# Altium PCB Elevator.PcbDoc (part 1 of 4) (continued)
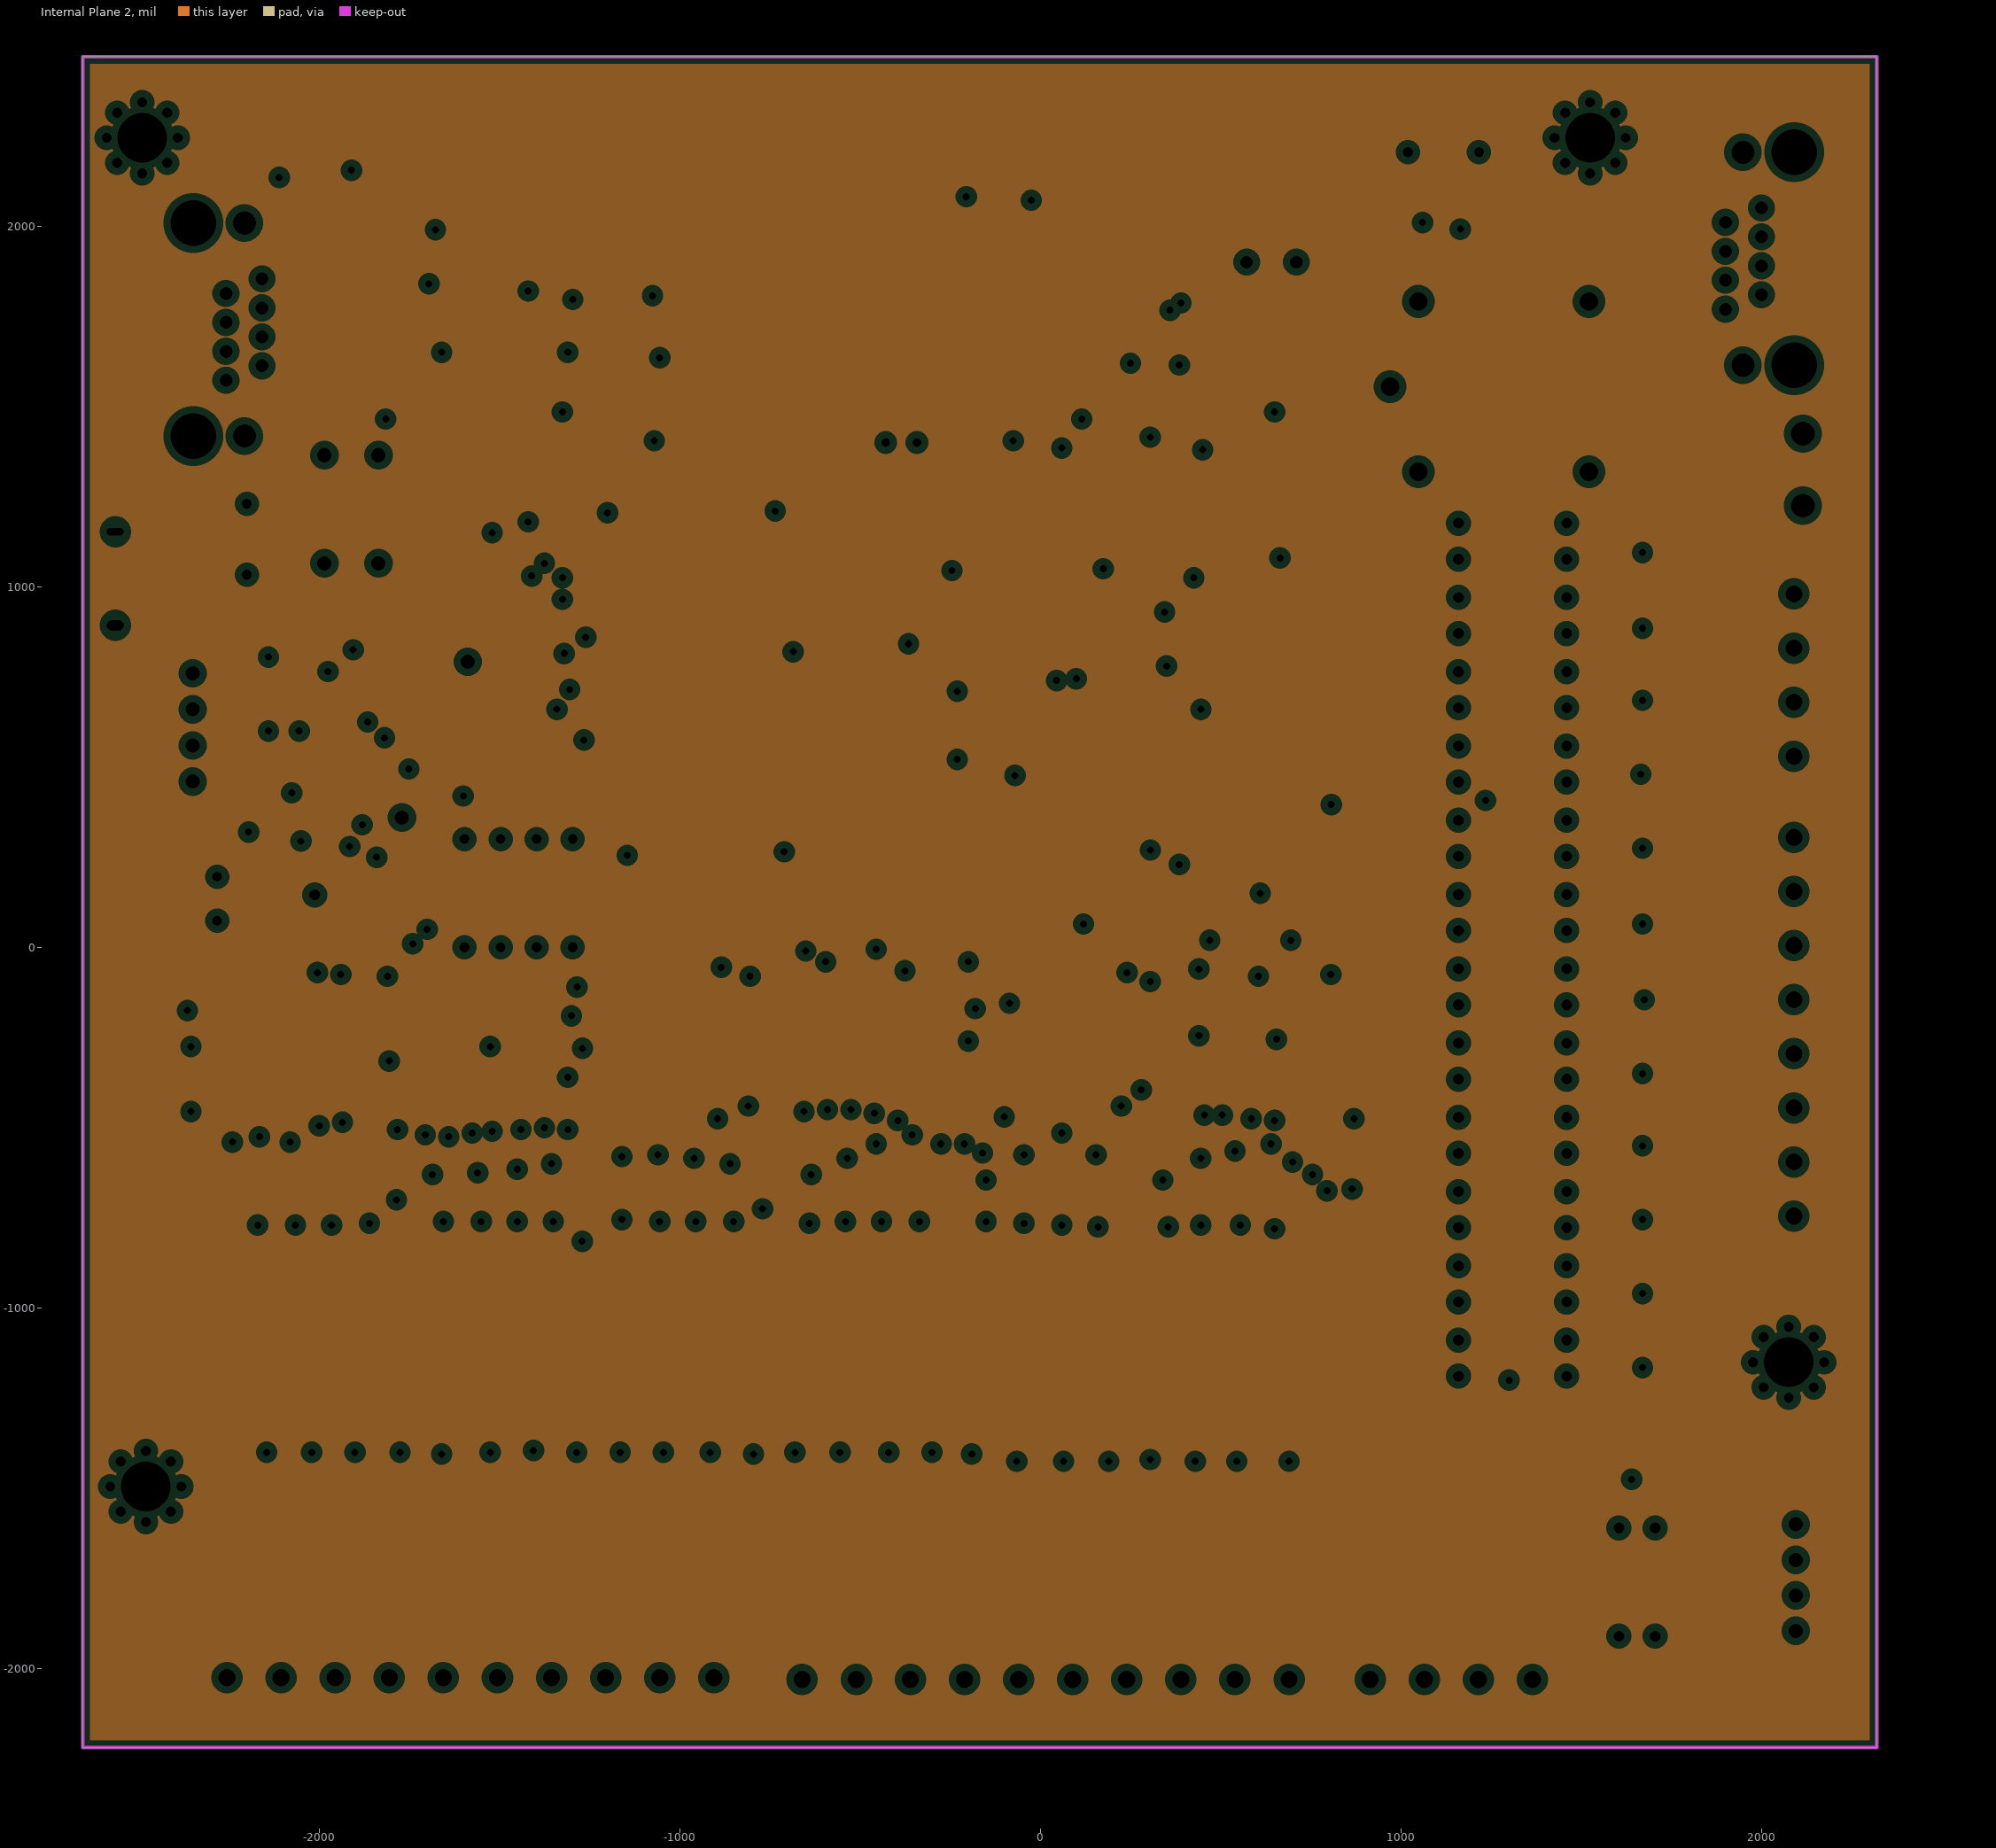
[diagram p3: Internal Plane 2, clearances drawn from the general rule]

## Layer stack, top to bottom
Top Solder: solder mask 0.4, Solder Resist, Dk 3.5
Top Layer: signal copper 1.4
Internal Plane 1: plane copper 1.4
Internal Plane 2: plane copper 1.4
Dielectric 1: dielectric 12.6, FR-4, Dk 4.8
Bottom Layer: signal copper 1.4
Bottom Solder: solder mask 0.4, Solder Resist, Dk 3.5

## Board outline
-2655,-2218.74 -2655,2470 2319.69,2470 2319.69,-2218.74

## Design rules (kind name [scope] priority, off if disabled: settings)
Clearance [All] p1: gap=7.87 ignorepadtopadclearanceinfootprint=FALSE except(0: Arc-Hole Track-Hole SMDPad-Hole THPad-Hole Via-Hole Fill-Hole Poly-Hole Region-Hole Text-Hole; 20: Arc-Poly Track-Poly SMDPad-Poly THPad-Poly Via-Poly Fill-Poly Poly-Poly)
HoleSize [All] p1: absolutevalues=TRUE maxlimit=200 minlimit=1 maxpercent=80.000 minpercent=20.000
MinimumSolderMaskSliver [All] p1 off: minsoldermaskwidth=10
PlaneClearance [All] p1: clearance=20
PlaneConnect [All] p1: planeconnectstyle=Relief reliefexpansion=20 reliefentries=4 reliefconductorwidth=10 reliefairgap=10
PolygonConnect [All] p1: connectstyle=Relief reliefconductorwidth=10 reliefentries=4 polygonreliefangle="90 Angle" airgapwidth=10
RoomDefinition "Power 8V" [InComponentClass('Power 8V')] p1: confinementstyle=ConfineOut formatcopy=TRUE lockcomponents=FALSE outline 3711.1,-660.72 6771.1,-660.72 6771.1,149.28 3711.1,149.28
RoomDefinition "Shift In" [InComponentClass('Shift In')] p2: confinementstyle=ConfineOut formatcopy=TRUE lockcomponents=FALSE outline -7440,-8043.74 -5440,-8043.74 -5440,-7043.74 -7440,-7043.74
RoomDefinition "Power 5V" [InComponentClass('Power 5V')] p3: confinementstyle=ConfineOut formatcopy=TRUE lockcomponents=FALSE outline 2820.55,3875 2285,3875 2285,3205 2820.55,3205
RoomDefinition "Power 3.3V" [InComponentClass('Power 3.3V')] p4: confinementstyle=ConfineOut formatcopy=TRUE lockcomponents=FALSE outline -3865,3460 -3865,2195 -2795,2195 -2795,3460
RoomDefinition "Shift Out" [InComponentClass('Shift Out')] p5: confinementstyle=ConfineOut formatcopy=TRUE lockcomponents=FALSE outline -4555,-1005 -3380,-1005 -3380,-40 -4555,-40
RoomDefinition "Mosfet Input" [InComponentClass('Mosfet Input')] p6: confinementstyle=ConfineOut formatcopy=TRUE lockcomponents=FALSE outline 7560,-470 10300,-470 10300,845 7560,845
RoomDefinition MCU [InComponentClass('MCU')] p7: confinementstyle=ConfineOut formatcopy=TRUE lockcomponents=FALSE outline -2485,3755 -2485,4165 -4670.5,4165 -4670.5,3755
RoomDefinition "Input Connector" [InComponentClass('Input Connector')] p8: confinementstyle=ConfineOut formatcopy=TRUE lockcomponents=FALSE outline 3400,2450 4565,2450 4565,3570 3400,3570
RoomDefinition Config [InComponentClass('Config')] p9: confinementstyle=ConfineOut formatcopy=TRUE lockcomponents=FALSE outline -2305,2885 -410,2885 -410,4500 -2305,4500
RoomDefinition "Communication Elevator" [InComponentClass('Communication Elevator')] p10: confinementstyle=ConfineOut formatcopy=TRUE lockcomponents=FALSE outline -3755,1195 -2865,1195 -2865,1965 -3755,1965
RoomDefinition Actuator [InComponentClass('Actuator')] p11: confinementstyle=ConfineOut formatcopy=TRUE lockcomponents=FALSE outline -3285,-1690 -5200,-1690 -5200,-2205 -3285,-2205
RoutingVias [All] p1: holewidth=23.62 width=39.37 viastyle="Through Hole" minholewidth=19.68 minwidth=30 maxholewidth=43.31 maxwidth=82.68
SilkToBoardRegionClearance [All] p1 off:
SilkToSolderMaskClearance [IsPad] p1 off: minsilkscreentomaskgap=1 clearancetoexposedcopper=TRUE
SolderMaskExpansion [All] p1: expansion=4
Width [All] p1: maxlimit=100 minlimit=10 preferedwidth=10 minimp=50.000000 maximp=50.000000 favimp=50.000000
24 further rules are at their usual default settings.

## Classes and differential pairs
component class "Power 8V": CM20 CM21 CR5 DM3 DZ40 F3 LH4 LH5 LH20 REG1 RN1 RN2
component class "Power 3.3V": 3.3V C2 C13 DP2 DZ2 R83 REG
component class "Shift Out": CPP10 CPP11 CPP12 SO1 SO2 SO3
component class Actuator: OptoO1 OptoO2 OptoO3 OptoO4 OptoO5 OptoO6 RF1 RF2 RF3 RF4 RF5 RF6 RF7 RF8 RF9 RF10 RF11 RF12 RF13 RF14 RF15 RF16 RF17 RF18 RF19 RF20 RF21 RF22 RF23 RF24
component class "Mosfet Input": CQQ1 CQQ2 CQQ3 CQQ4 CQQ5 CQQ6 CQQ7 CQQ8 CQQ9 CQQ10 CQQ11 CQQ12 CQQ13 CQQ14 CQQ15 CQQ16 CQQ17 CQQ18 CQQ19 CQQ20 CQQ21 CQQ22 CQQ23 CQQ24 CQQ25 CQQ26 CQQ27 CQQ28 CQQ29 CQQ30 CQQ31 CQQ32 CQQ33 CQQ34 CQQ35 CQQ36 CV1 CV2 CV3 CV4 CV5 CV6 CV7 CV8 CV9 CV10 CV11 CV12 CY1 CY2 CY3 CY4 CY5 CY6 CY7 CY8 CY9 CY10 CY11 CY12 CY13 CY14 CY15 CY16 CY17 CY18 CY19 CY20 CY21 CY22 CY23 CY24 L1 L2 L3 L4 L5 L6 L7 L8 L9 L10 L11 L12 L13 L14 L15 L16 L17 L18 L19 L20 L21 L22 L23 L24 L25 L26 L27 L28 L29 L30 L31 L32 L33 L34 L35 L36 O1 O2 O3 O4 O5 O6 O7 O8 O9 O10 O11 O12 Opto1 Opto2 Opto3 Opto4 Opto5 Opto6 RA1 RA2 RA3 RA4 RA5 RA6 RA7 RA8 RA9 RA10 RA11 RA12 RA13 RA14 RA15 RA16 RA17 RA18 RA19 RA20 RA21 RA22 RA23 RA24 RG1 RG2 RG3 RG4 RG5 RG6 RG7 RG8 RG9 RG10 RG11 RJ1 RJ2 RJ3 RJ4 RJ5 RJ6 RJ7 RJ8 RJ9 RJ10 RJ11 RJ12 RJ13 RJ14 RJ15 RJ16 RJ17 RJ18 RJ19 RJ20 RJ21 RJ22 RJ23 RJ24 RR1 RR2 RR3 RR4 RR5 RR6 RR7 RR8 RR9 RR10 RR11 RR12 RR13 RR14 RR15 RR16 RR17 RR18 RR19 RR20 RR21 RR22 RR23 RR24 RR25 RR26 RR27 RR28 RR29 RR30 RR31 RR32 RR33 RR34 RR35 RR36 RU1 RU2 RU3 RU4 RU5 RU6 RU7 RU8 RU9 RU10 RU11 RU12 RUX1 RUX2 RUX3 RUX4 RUX5 RUX6 RUX7 RUX8 RUX9 RUX10 RUX11 RUX12 RVM1 RVM2 RVM3 RVM4 RVM5 RVM6 RVM7 RVM8 RVM9 RVM10 RVM11 RVM12 RVM13 RVM14 RVM15 RVM16 RVM17 RVM18 RVM19 RVM20 RVM21 RVM22 RVM23 RVM24
component class MCU: C1 C6 C7 C10 C15 C16 CON CPP1 CPP2 CPP3 DP15 JLink K1 LOGO1 R1 R2 R3 R4 R5 R6 R7 R8 R9 R10 R11 R12 RES SM2 SM3 T1 U1 usb Y2 Y3
component class "Input Connector": 24V CF1 CF2 CH1 CIN CIN2 DM6 F1 F5 OpC P1 P2 P3 P5 P6 P10 R80 RP1 RP2 S1 S2 S4 S30
component class "Shift In": CPP5 CPP6 CPP7 CPP8 CPP9 Sh1 Sh2 Sh3 Sh4 Sh5
component class "Communication Elevator": ADM CS2 CS3 RC1 RC2 RC3 RC4 RC5 RT1 RT2 RT3 RT4 RV1 RV2 Rx SM Tx
component class Config: R44 R45 R46 R47 S3
component class "Power 5V": 5V CR1 CR2 CR3 DP1 DZ1 R82 Reg2

## Components (designator, comment, footprint, x,y, rotation, side; value= is the part's Value field where it differs from the comment)
3.3V "GREEN" "LED SMD 1206" -1085,2245 r180 top
5V "RED" "LED SMD 1206" -1375,2065 r0 top
24V "RED" "LED SMD 1206" -124.19,1165 r180 top
ADM "ADM485" SO8_NARROW_N -1521.03,1815 r180 top
C1 "Header 2" "phonix 2pin right 5.08" 2115,1325 r0 top
C2 "100nF" SMD_CAP_0603 -930,1474.5 r90 top
C6 "20pF" SMD_CAP_0603 -1230,650 r180 top
C7 "20pF" SMD_CAP_0603 -1232.81,572.3 r180 top
C10 "1uF" SMD_CAP_0603 -1232.81,957 r180 top
C13 "100uF" CAPMP6032X280N -810,1475 r270 top
C15 "1uF" CAP-0603 -2109.18,304.77 r0 top
C16 "10pF" SMD_CAP_0603 -1998.84,304.77 r0 top
CF1 "2.2nF" "Cap 10nF" 1216.85,2205 r180 top
CF2 "2.2nF" "Cap 10nF" -2200,1033.15 r90 top
CH1 "1uF" SMD_CAP_0603 1604.5,-1380 r180 top
CIN "CN_MODJACK_8P" "CN_RJ45_TYCO_ DY122-8P8C-G" -2348.3,2008.7 r270 top
CIN2 "CN_MODJACK_8P" "CN_RJ45_TYCO_ DY122-8P8C-G" 2090.55,1614.41 r90 top
CM20 "100uF" "cap 02" -385,1400 r180 top
CM21 "2000uF" "cap 03" 641.1,1900 r180 top
CON "RED" "LED SMD 1206" -667.55,1211.48 r0 top
CPP1 "100nF" SMD_CAP_0603 -1770.5,485 r180 top
CPP2 "100nF" SMD_CAP_0603 -2055,575 r90 top
CPP3 "100nF" SMD_CAP_0603 -1535,1095 r180 top
CPP5 "100nF" SMD_CAP_0603 -815,-410 r270 bottom
CPP6 "100nF" SMD_CAP_0603 -1810,-105 r90 bottom
CPP7 "100nF" SMD_CAP_0603 320.5,785 r0 bottom
CPP8 "100nF" SMD_CAP_0603 425,1475 r180 top
CPP9 "100nF" SMD_CAP_0603 775.5,-85 r0 bottom
CPP10 "100nF" SMD_CAP_0603 -1940,-454.5 r270 bottom
CPP11 "100nF" SMD_CAP_0603 -190,-70 r90 bottom
CPP12 "100nF" SMD_CAP_0603 280,-359.5 r270 bottom
CQQ1 "100nF" SMD_CAP_1206 -2145,-1402.8 r270 bottom
CQQ2 "100nF" SMD_CAP_1206 -2022.61,-1402.8 r270 bottom
CQQ3 "100nF" SMD_CAP_1206 -1900.22,-1402.8 r270 bottom
CQQ4 "100nF" SMD_CAP_1206 -1777.83,-1402.8 r270 bottom
CQQ5 "100nF" SMD_CAP_1206 -1655.43,-1402.8 r270 bottom
CQQ6 "100nF" SMD_CAP_1206 -1533.04,-1402.8 r270 bottom
CQQ7 "100nF" SMD_CAP_1206 -1410.65,-1402.8 r270 bottom
CQQ8 "100nF" SMD_CAP_1206 -1288.26,-1402.8 r270 bottom
CQQ9 "100nF" SMD_CAP_1206 -1165.87,-1402.8 r270 bottom
CQQ10 "100nF" SMD_CAP_1206 -1043.48,-1402.8 r270 bottom
CQQ11 "100nF" SMD_CAP_1206 -921.09,-1402.8 r270 bottom
CQQ12 "100nF" SMD_CAP_1206 -798.7,-1402.8 r270 bottom
CQQ13 "100nF" SMD_CAP_1206 -676.3,-1402.8 r270 bottom
CQQ14 "100nF" SMD_CAP_1206 -553.91,-1402.8 r270 bottom
CQQ15 "100nF" SMD_CAP_1206 -431.52,-1402.8 r270 bottom
CQQ16 "100nF" SMD_CAP_1206 -309.13,-1402.8 r270 bottom
CQQ17 "100nF" SMD_CAP_1206 -186.74,-1402.8 r270 bottom
CQQ18 "100nF" SMD_CAP_1206 -64.35,-1402.8 r270 bottom
CQQ19 "100nF" SMD_CAP_1206 58.04,-1402.8 r270 bottom
CQQ20 "100nF" SMD_CAP_1206 180.43,-1402.8 r270 bottom
CQQ21 "100nF" SMD_CAP_1206 302.83,-1402.8 r270 bottom
CQQ22 "100nF" SMD_CAP_1206 425.22,-1402.8 r270 bottom
CQQ23 "100nF" SMD_CAP_1206 547.61,-1402.8 r270 bottom
CQQ24 "100nF" SMD_CAP_1206 670,-1405 r270 bottom
CQQ25 "100nF" SMD_CAP_0603 1670,-1130 r270 bottom
CQQ26 "100nF" SMD_CAP_0603 1670,-925 r270 bottom
CQQ27 "100nF" SMD_CAP_0603 1670,-720 r270 bottom
CQQ28 "100nF" SMD_CAP_0603 1670,-515 r270 bottom
CQQ29 "100nF" SMD_CAP_0603 1670,-310 r270 bottom
CQQ30 "100nF" SMD_CAP_0603 1670,-105 r270 bottom
CQQ31 "100nF" SMD_CAP_0603 1670,100 r270 bottom
CQQ32 "100nF" SMD_CAP_0603 1670,305 r270 bottom
CQQ33 "100nF" SMD_CAP_0603 1670,510 r270 bottom
CQQ34 "100nF" SMD_CAP_0603 1670,715 r270 bottom
CQQ35 "100nF" SMD_CAP_0603 1670,920 r270 bottom
CQQ36 "100nF" SMD_CAP_0603 1670,1125 r270 bottom
CR1 "330nF" 1206 -1091.44,125 r180 top
CR2 "100nF" 1206 -255,920 r270 top
CR3 "100uF" CAPMP6032X280N -220,615.44 r90 top
CR5 "100uF" CAPMP6032X280N -575,1955 r90 top
CS2 "10uF" CAPMP3216X180N -1870,2020 r180 top
CS3 "100nF" SMD_CAP_1206 -1800,2155 r180 top
CV1 "1uF" SMD_CAP_0603 995,-1150 r270 top
CV2 "1uF" SMD_CAP_0603 1015,-942.6 r270 top
CV3 "1uF" SMD_CAP_0603 995,-737.33 r270 top
CV4 "1uF" SMD_CAP_0603 995,-531 r270 top
CV5 "1uF" SMD_CAP_0603 995,-324.67 r270 top
CV6 "1uF" SMD_CAP_0603 995,-118.33 r270 top
CV7 "1uF" SMD_CAP_0603 995,88 r270 top
CV8 "1uF" SMD_CAP_0603 995,294.33 r270 top
CV9 "1uF" SMD_CAP_0603 995,500.67 r270 top
CV10 "1uF" SMD_CAP_0603 995,707 r270 top
CV11 "1uF" SMD_CAP_0603 995,913.33 r270 top
CV12 "1uF" SMD_CAP_0603 995,1119.67 r270 top
CY1 "10uF" SMD_CAP_0603 -2190,-760 r180 top
CY2 "10uF" SMD_CAP_0603 -2090,-760 r180 top
CY3 "10uF" SMD_CAP_0603 -1990,-760 r180 top
CY4 "10uF" SMD_CAP_0603 -1890,-760 r180 top
CY5 "10uF" SMD_CAP_0603 -1680,-760 r180 top
CY6 "10uF" SMD_CAP_0603 -1580,-760 r180 top
CY7 "10uF" SMD_CAP_0603 -1480,-760 r180 top
CY8 "10uF" SMD_CAP_0603 -1380,-760 r180 top
CY9 "10uF" SMD_CAP_0603 -1185,-760 r180 top
CY10 "10uF" SMD_CAP_0603 -1085,-760 r180 top
CY11 "10uF" SMD_CAP_0603 -985,-760 r180 top
CY12 "10uF" SMD_CAP_0603 -885,-760 r180 top
CY13 "10uF" SMD_CAP_0603 -665,-760 r180 top
CY14 "10uF" SMD_CAP_0603 -565,-760 r180 top
CY15 "10uF" SMD_CAP_0603 -465,-760 r180 top
CY16 "10uF" SMD_CAP_0603 -365,-760 r180 top
CY17 "10uF" SMD_CAP_0603 -175,-760 r180 top
CY18 "10uF" SMD_CAP_0603 -75,-760 r180 top
CY19 "10uF" SMD_CAP_0603 25,-760 r180 top
CY20 "10uF" SMD_CAP_0603 125,-760 r180 top
CY21 "10uF" SMD_CAP_0603 320,-760 r180 top
CY22 "10uF" SMD_CAP_0603 420,-760 r180 top
CY23 "10uF" SMD_CAP_0603 520,-760 r180 top
CY24 "10uF" SMD_CAP_0603 620,-760 r180 top
DM3 "1N5822" "DO214AC SMA" 370,1861.26 r90 top
DM6 "1N5822" "DO214AC SMA" 325,1610 r180 top
DP1 "1N4148" LL4148 -1085,250 r0 top
DP2 "1N4148" LL4148 -835,1775 r180 top
DP15 "1N4148" LL4148 744.96,1380 r180 top
DZ1 "DZ5.6V 0.5W" Minimelf -345,607.96 r270 top
DZ2 "DZ3.6V 0.5W" Minimelf -670,1470 r90 top
DZ40 "DZ9.1V 0.5W" Minimelf -427.38,1950 r270 top
F1 "Fuse 0.5A 1206" "Fuse SMD 1206" 1110,2010 r180 top
F3 "Fuse 1A 1206" "Fuse SMD 1206" 210,1855 r270 top
F5 "Fuse 1A 1206" "Fuse SMD 1206" 1845,-1400 r180 top
JLink "Header Male Right 1x4" "Header 1x4 male rightangle" -2350,560 r90 top
K1 "Relay" "Relay 20x16x20 HJR" 970,1555 r270 top
L1 "RED" "LED 0603/1608 RED" -2270.47,-1770 r0 top
L2 "RED" "LED 0603/1608 RED" -2135.23,-1770 r0 top
L3 "RED" "LED 0603/1608 RED" -2000,-1770 r0 top
L4 "RED" "LED 0603/1608 RED" -1864.76,-1770 r0 top
L5 "RED" "LED 0603/1608 RED" -1729.52,-1770 r0 top
L6 "RED" "LED 0603/1608 RED" -1594.28,-1770 r0 top
L7 "RED" "LED 0603/1608 RED" -1459.05,-1770 r0 top
L8 "RED" "LED 0603/1608 RED" -1323.81,-1770 r0 top
L9 "RED" "LED 0603/1608 RED" -1188.57,-1770 r0 top
L10 "RED" "LED 0603/1608 RED" -1053.33,-1770 r0 top
L11 "RED" "LED 0603/1608 RED" -918.09,-1770 r0 top
L12 "RED" "LED 0603/1608 RED" -782.86,-1770 r0 top
L13 "RED" "LED 0603/1608 RED" -647.62,-1770 r0 top
L14 "RED" "LED 0603/1608 RED" -512.38,-1770 r0 top
L15 "RED" "LED 0603/1608 RED" -377.14,-1770 r0 top
L16 "RED" "LED 0603/1608 RED" -241.9,-1770 r0 top
L17 "RED" "LED 0603/1608 RED" -106.67,-1770 r0 top
L18 "RED" "LED 0603/1608 RED" 28.57,-1770 r0 top
L19 "RED" "LED 0603/1608 RED" 163.81,-1770 r0 top
L20 "RED" "LED 0603/1608 RED" 299.05,-1770 r0 top
L21 "RED" "LED 0603/1608 RED" 434.29,-1770 r0 top
L22 "RED" "LED 0603/1608 RED" 569.52,-1770 r0 top
L23 "RED" "LED 0603/1608 RED" 704.76,-1770 r0 top
L24 "RED" "LED 0603/1608 RED" 840,-1765 r0 top
L25 "RED" "LED 0603/1608 RED" 1855,-1135 r90 top
L26 "RED" "LED 0603/1608 RED" 1855,-930 r90 top
L27 "RED" "LED 0603/1608 RED" 1855,-725 r90 top
L28 "RED" "LED 0603/1608 RED" 1855,-520 r90 top
L29 "RED" "LED 0603/1608 RED" 1855,-315 r90 top
L30 "RED" "LED 0603/1608 RED" 1855,-110 r90 top
L31 "RED" "LED 0603/1608 RED" 1855,95 r90 top
L32 "RED" "LED 0603/1608 RED" 1855,300 r90 top
L33 "RED" "LED 0603/1608 RED" 1855,505 r90 top
L34 "RED" "LED 0603/1608 RED" 1855,710 r90 top
L35 "RED" "LED 0603/1608 RED" 1855,915 r90 top
L36 "RED" "LED 0603/1608 RED" 1855,1120 r90 top
LH4 "Inductor" "CD45 SMD Inductor" 605.2,2235 r0 top value=100uH3A
LH5 "Inductor" "HPC6045 SMD INDUCTOR" -795,2010 r270 top value=22uH3A
LH20 "Inductor" "RES 1210 (3226X07L)" -130,1400 r180 top value=2.2uH
LOGO1 "Warning!" "LOGO RESET" -1012.03,1306.75 r90 top
O1 "TLP521" PS2501-1 1160,-1188.98 r90 top
O2 "TLP521" PS2501-1 1160,-983.04 r90 top
O3 "TLP521" PS2501-1 1160,-777.11 r90 top
O4 "TLP521" PS2501-1 1160,-571.18 r90 top
O5 "TLP521" PS2501-1 1160,-365.25 r90 top
O6 "TLP521" PS2501-1 1160,-159.32 r90 top
O7 "TLP521" PS2501-1 1160,46.61 r90 top
O8 "TLP521" PS2501-1 1160,252.55 r90 top
O9 "TLP521" PS2501-1 1160,458.48 r90 top
O10 "TLP521" PS2501-1 1160,664.41 r90 top
O11 "TLP521" PS2501-1 1160,870.34 r90 top
O12 "TLP521" PS2501-1 1160,1076.27 r90 top
OpC "PC814" PS2501-1 1605,-1610 r0 top
Opto1 "TLP281-4" SSOP16 -2060,-960 r90 top
Opto2 "TLP281-4" SSOP16 -1559,-960 r90 top
Opto3 "TLP281-4" SSOP16 -1058,-960 r90 top
Opto4 "TLP281-4" SSOP16 -557,-960 r90 top
Opto5 "TLP281-4" SSOP16 -56,-960 r90 top
Opto6 "TLP281-4" SSOP16 445,-960 r90 top
OptoO1 "TLP281-4" SSOP16 -2010,-1010 r270 bottom
OptoO2 "TLP281-4" SSOP16 -1519,-1010 r270 bottom
OptoO3 "TLP281-4" SSOP16 -1028,-1010 r270 bottom
OptoO4 "TLP281-4" SSOP16 -537,-1010 r270 bottom
OptoO5 "TLP281-4" SSOP16 -46,-1010 r270 bottom
OptoO6 "TLP281-4" SSOP16 445,-1010 r270 bottom
P1 "XH10MR" "phonix 10pin right 3.81" -905,-2025 r270 top
P2 "XH10MR" "phonix 10pin right 3.81" 690,-2030 r270 top
P3 "XH4MR" "phonix 4pin right 3.81" 1365,-2030 r270 top
P5 "XH8MR" "phonix 8pin right 3.81" 2090,305 r0 top
P6 "XH4MR" "phonix 4pin right 3.81" 2090,980 r0 top
P10 "XH4MR" CN_JST-B4B-S_XH 2095,-1895.28 r270 top
R1 "10K" "RES 0603 (1608X06L)" -1206.01,780 r180 top
R2 "10K" "RES 0603 (1608X06L)" -2265,305 r0 top
R3 "390" "RES 0603 (1608X06L)" -1376.44,571.48 r0 top
R4 "500" "RES 0603 (1608X06L)" -696.29,1101.48 r0 top
R5 "10K" "RES 0603 (1608X06L)" -1998.99,565 r0 top
R6 "10K" "RES 0603 (1608X06L)" -1955.34,670 r180 top
R7 "20R" "RES 0603 (1608X06L)" -1977.61,952.44 r180 top
R8 "20R" "RES 0603 (1608X06L)" -1977.61,858.43 r180 top
R9 "1.5K" "RES 0603 (1608X06L)" -2027.61,764.42 r0 top
R10 "10K" "RES 0603 (1608X06L)" -1257.61,865.04 r0 top
R11 "4.7K" "RES 0603 (1608X06L)" 620,1260 r180 top
R12 "47K" "RES 0603 (1608X06L)" 625,1175 r180 top
R44 "10K" "RES 0603 (1608X06L)" -1607.75,415.53 r180 top
R45 "10K" "RES 0603 (1608X06L)" -1484.77,415.53 r180 top
R46 "10K" "RES 0603 (1608X06L)" -1361.79,415.53 r180 top
R47 "10K" "RES 0603 (1608X06L)" -1238.81,415.53 r180 top
R80 "5K" "RES 0603 (1608X06L)" -98.65,1059.76 r180 top
R82 "1K" "RES 0603 (1608X06L)" -1150,2065 r180 top
R83 "500" "RES 0603 (1608X06L)" -1033.99,2065 r0 top
RA1 "10K" "RES 0603 (1608X06L)" -2166.01,-690 r180 top
RA2 "10K" "RES 0603 (1608X06L)" -2064.01,-690 r180 top
RA3 "10K" "RES 0603 (1608X06L)" -1962,-690 r180 top
RA4 "10K" "RES 0603 (1608X06L)" -1860,-690 r180 top
RA5 "10K" "RES 0603 (1608X06L)" -1656.01,-690 r180 top
RA6 "10K" "RES 0603 (1608X06L)" -1555.67,-690 r180 top
RA7 "10K" "RES 0603 (1608X06L)" -1455.34,-690 r180 top
RA8 "10K" "RES 0603 (1608X06L)" -1355,-690 r180 top
RA9 "10K" "RES 0603 (1608X06L)" -1161.01,-695 r180 top
RA10 "10K" "RES 0603 (1608X06L)" -1060.67,-695 r180 top
RA11 "10K" "RES 0603 (1608X06L)" -960.34,-695 r180 top
RA12 "10K" "RES 0603 (1608X06L)" -860,-695 r180 top
RA13 "10K" "RES 0603 (1608X06L)" -641.01,-695 r180 top
RA14 "10K" "RES 0603 (1608X06L)" -540.67,-695 r180 top
RA15 "10K" "RES 0603 (1608X06L)" -440.34,-695 r180 top
RA16 "10K" "RES 0603 (1608X06L)" -340,-695 r180 top
RA17 "10K" "RES 0603 (1608X06L)" -151.01,-700 r180 top
RA18 "10K" "RES 0603 (1608X06L)" -51.01,-700 r180 top
RA19 "10K" "RES 0603 (1608X06L)" 48.99,-700 r180 top
RA20 "10K" "RES 0603 (1608X06L)" 148.99,-700 r180 top
RA21 "10K" "RES 0603 (1608X06L)" 343.99,-700 r180 top